# Allegro board IMX7D EVK BOARD REV D_160314.brd (continued)
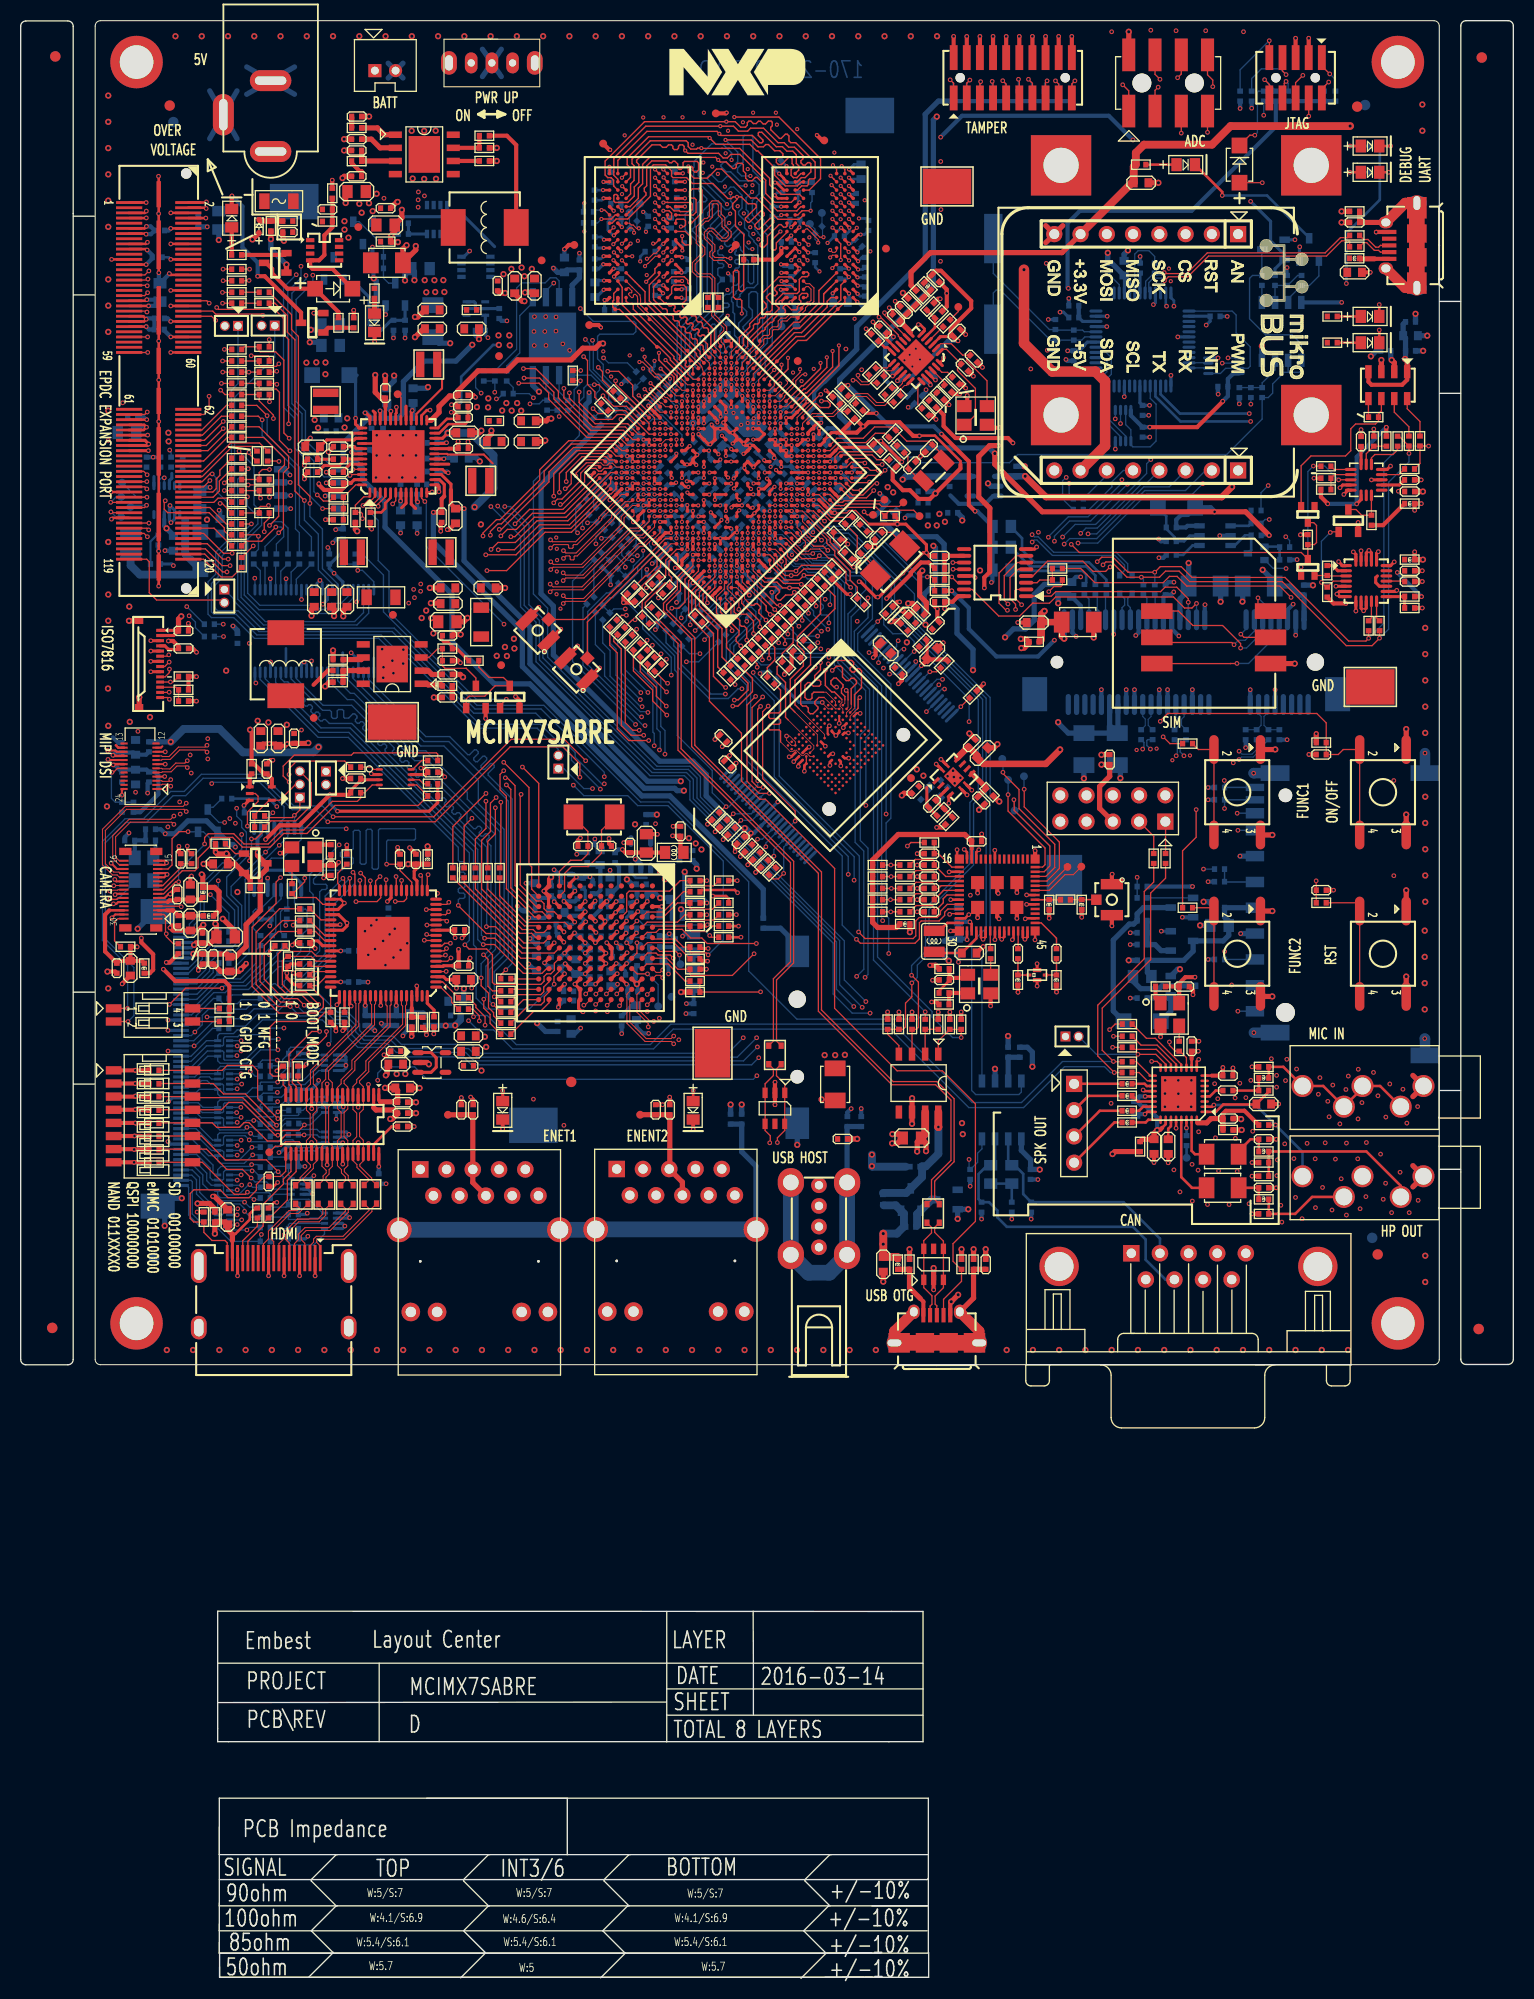
[diagram p0: board, top side]
## Routing (per net, layer and track width the routed paths; a pad name or vN(x,y) marks a point on that pad's centre or on a via; arc(x,y) is an arc through that point) (continued)
  BOTTOM w0.104: v3(77.14,167.89) 76.82,168.21 R90.2 76.82,169.2 TP21.1 ; TP22.1 58.89,169.32 R91.2 58.92,169.25 v3(59.33,168.84)
DRAM_SDQS0_N: length 12.7
  TOP w0.102: U7.AD21 69.79,156.26 70.25,156.72
  TOP w0.104: 70.25,156.72 70.25,156.84 71.49,158.08 TP41.1 71.49,158.54 71.87,158.91 72.32,158.91 72.43,159.02 72.43,159.48 72.7,159.75 73.16,159.75 73.27,159.86 73.27,160.31 73.54,160.59 74,160.59 74.38,160.97 74.7,160.97 75.11,160.97 75.53,161.39 TP42.1 75.53,161.6 76.07,162.14 76.28,162.14 76.44,162.31 76.44,163.39 76.19,163.64 75.98,163.64 U8.B7
DRAM_SDQS0_P: length 12.8
  TOP w0.102: U7.AE21 70.57,156.5 70.57,156.61
  TOP w0.104: 70.57,156.61 70.57,156.76 70.68,156.87 70.96,156.87 71.2,157.12 TP43.1 71.2,157.4 71.87,158.07 71.87,158.52 71.98,158.63 72.44,158.63 72.71,158.9 72.71,159.36 72.82,159.47 73.28,159.47 73.55,159.74 73.55,160.2 73.66,160.31 74.11,160.31 74.5,160.69 75.07,160.69 TP40.1 75.17,160.63 75.38,160.85 75.91,161.37 75.91,161.58 76.19,161.86 76.4,161.86 76.72,162.19 76.72,163.5 76.31,163.91 75.97,163.91 U8.C7
DRAM_SDQS1_N: length 18.5
  TOP w0.104: U7.AE15 74.69,154.26 74.69,154.63 75.38,155.33 v3(75.38,155.65) ; v3(78.3,167.17) 78.52,166.95 78.76,166.95 78.92,167.1 U8.G3
  L3_INT_1 w0.117: v3(75.38,155.65) 75.67,155.65 76.32,156.3 76.32,157.97 76.32,158.46 77.63,159.78 77.63,160.88 77.28,161.23 77.28,161.71 77.63,162.05 77.63,162.19 77.36,162.46 77.36,163.06 77.61,163.3 77.76,163.3 77.85,163.4 77.85,163.59 77.75,163.7 77.51,163.7 77.24,163.97 77.24,164.41 77.72,164.89 77.72,165.79 77.87,165.94 77.87,166.61 78.3,167.03 v3(78.3,167.17)
DRAM_SDQS1_P: length 18.6
  TOP w0.104: U8.F3 78.82,166.67 78.51,166.67 v3(78.3,166.45) ; v3(75.89,155.15) 75.6,155.15 74.97,154.51 74.97,154.14 73.89,153.07 73.89,152.93 73.51,152.54 U7.AD15
  L3_INT_1 w0.117: v3(78.3,166.45) 78.15,166.31 78.15,165.83 78,165.67 78,164.77 77.52,164.29 77.52,164.08 77.62,163.98 77.86,163.98 78.13,163.71 78.13,163.28 77.87,163.02 77.72,163.02 77.64,162.94 77.64,162.57 77.91,162.31 77.91,161.94 77.56,161.59 77.56,161.35 77.91,160.99 77.91,159.66 76.6,158.35 76.6,157.97 76.6,156.19 75.89,155.47 v3(75.89,155.15)
DRAM_SDQS2_N: length 12.2
  TOP w0.102: U7.Y25 65.55,155.85 65.33,156.07
  TOP w0.104: 65.33,156.07 64.92,156.48 TP44.1 64.77,156.63 60.94,160.47 TP46.1 60.81,160.59 59.68,161.72 59.68,161.99 59.68,162.39 59.67,162.49 59.64,162.7 59.46,162.88 59.35,162.88 59.26,162.8 59.26,162.65 59.19,162.57 59.09,162.57 58.8,162.86 58.8,162.94 58.89,163.03 59.07,163.03 59.12,163.08 59.12,163.22 58.8,163.54 58.73,163.54 U9.B7
DRAM_SDQS2_P: length 12.2
  TOP w0.102: U7.Y24 65.88,155.85 65.83,155.94 65.74,156.07 65.63,156.18
  TOP w0.104: 65.63,156.18 64.49,157.32 TP45.1 64.36,157.44 60.49,161.32 TP47.1 60.35,161.46 59.96,161.85 59.96,162.41 59.9,162.82 59.16,163.57 U9.C7
DRAM_SDQS3_N: length 18.8
  TOP w0.104: v3(60.57,166.33) 60.71,166.33 61.23,166.85 61.23,166.85 61.23,166.85 61.43,166.85 61.76,167.18 U9.G3 ; v3(60.35,156.84) 60.35,156.55 61.07,155.82 61.07,155.53 61.44,155.16 61.71,155.16 63.26,153.6 U7.T25
  L3_INT_1 w0.117: v3(60.57,166.33) 60.82,166.08 60.82,165.42 60.6,165.2 60.43,165.2 59.71,164.48 59.71,160.66 59.46,160.42 59.3,160.42 59.18,160.29 59.18,160.15 59.28,160.04 59.45,160.04 59.71,159.78 59.71,159.38 59.46,159.14 59.28,159.14 59.18,159.03 59.18,158.89 59.28,158.79 59.46,158.79 59.71,158.53 59.71,158.09 59.35,157.73 59.35,157.55 59.73,157.17 59.73,156.94 59.82,156.84 v3(60.35,156.84)
DRAM_SDQS3_P: length 18.8
  TOP w0.104: U7.T24 63.4,153.07 61.59,154.88 61.33,154.88 60.79,155.42 60.79,155.71 60.16,156.34 v3(59.84,156.34) ; v3(60.39,165.61) 60.66,165.88 60.7,165.88 61.38,166.57 U9.F3
  L3_INT_1 w0.117: v3(60.39,165.61) 60.39,165.55 59.43,164.59 59.43,160.78 59.35,160.7 59.19,160.7 58.9,160.41 58.9,160.03 59.17,159.76 59.33,159.76 59.43,159.66 59.43,159.5 59.34,159.42 59.16,159.42 58.9,159.15 58.9,158.89 58.9,158.77 59.16,158.51 59.34,158.51 59.43,158.42 59.43,158.21 59.07,157.84 59.07,157.43 59.45,157.05 59.45,156.73 v3(59.84,156.34)
DRAM_SDWE_B: length 54.9
  TOP w0.102: U7.AB14 v3(72.44,151.48)
  TOP w0.137: U8.L3 v3(78.52,170.97) ; U9.L3 61.72,170.57 v3(61.32,170.97)
  L3_INT_1 w0.102: v3(72.44,151.48) 71.88,151.48 69.33,154.03 69.33,154.2 69.65,154.52 69.65,154.83 69.4,155.08 69.4,155.33 69.64,155.57
  L3_INT_1 w0.137: v3(69.94,170.71) 69.78,170.54 69.78,170.27 69.91,170.13 70.13,170.13 70.72,170.72 70.72,170.94 70.61,171.05 70.61,171.21 70.79,171.39 70.79,172.02 69.49,173.32 69.3,173.32 69.15,173.18 69.15,173.04 69.75,172.44 69.75,172.17 69.93,171.98 70.21,171.98 70.36,171.83 70.36,171.63 70.22,171.49 69.98,171.49 69.78,171.29 69.78,171.19 69.57,170.98 69.32,170.98 69.08,170.75 69.08,170.5 68.88,170.3 68.88,170.05 69.14,169.8 69.14,169.58 69.39,169.33 69.39,169.16 69.25,169.02 69.12,169.02 68.81,169.33 68.66,169.33 68.48,169.15 68.48,168.94 69.55,167.87 69.55,164.91 70.07,164.39 70.07,162.11 69.19,161.23 69.19,160.45 69.77,159.87 69.77,156.18 69.64,156.06 69.64,155.57
  L6_INT_2 w0.137: v3(78.52,170.97) 77.53,170.97 76.02,172.48 73.51,172.48 73.09,172.06 72.41,172.06 71.4,171.05 70.29,171.05 v3(69.94,170.71) 69.89,170.66 69.75,170.66 69.66,170.57 69.18,170.57 68.83,170.22 68.42,170.22 67.91,170.73 67.01,170.73 66.89,170.6 66.89,170.3 66.53,169.94 65.27,169.94 64.98,170.24 62.66,170.24 62.33,170.57 61.72,170.57 v3(61.32,170.97)
DRAM_ZQ: length 2.8
  TOP w0.102: U7.AB13 v3(72.98,150.95)
  BOTTOM w0.104: v3(72.98,150.95) 72.98,151.5 73.4,151.92
  BOTTOM w0.137: R86.2 73.4,153 73.4,151.92
ENET_1V0: length 14.4
  TOP w0.305: U31.D5 58.11,101.76 v1(58.6,102.26) ; U31.K5 52.55,101.22 v1(52.55,101.21) ; 52.54,100.23 52.54,100.23 U31.K6 52.1,100.66 52.54,100.23 ; 52.54,100.23 v1(52.54,100.22) ; U31.L7 v1(51.61,100.16)
  TOP w0.406: L54.2 63.82,109.2 C415.1 63.78,110.51 v1(63.05,110.51)
  BOTTOM w0.305: C334.1 51.78,101.11 R642.1 ; v1(58.6,102.26) 58.6,102.61 C327.1
  BOTTOM w0.381: L44.2 65.09,94.28 C320.1 v1(64.39,94.28)
  BOTTOM w0.406: L47.1 53.94,108.88 v1(53.78,108.73)
  BOTTOM w0.508: v2(49.95,92.4) 50.76,91.59 L49.1 ; L42.1 64.01,103.32 63.92,103.4 v2(63.86,103.4)
  vias: v1(61.4,111.68) v2(59.42,111.63)
ENET_3V3: length 25.3
  TOP w0.254: U31.F8 v1(56.61,99.16) ; U31.F9 v1(56.61,98.16)
  TOP w0.305: v1(53.57,101.13) U31.J6 ; U31.J7 v1(52.6,99.16) ; v1(54.65,102.2) 54.64,102.2 U31.H5 ; R271.1 65.84,99.61 v1(66.5,99.61) ; U31.E6 57.12,100.66 v1(57.66,101.21) ; v1(59.69,103.18) 59.17,102.66 U31.C4 ; v1(57.63,102.19) 57.63,102.19 U31.E5 ; U31.F7 v1(56.61,99.16) ; v1(58.55,101.1) 58.55,101.1 U31.D6 ; U31.F8 v1(56.61,98.16) ; 57.11,96.66 57.61,97.17 v1(57.69,97.17)
  TOP w0.508: R263.1 v2(63.87,95.4)
  BOTTOM w0.254: U44.3 59.03,106.91 59.5,106.44 60.54,106.44
  BOTTOM w0.305: v1(57.63,102.19) 57.11,101.67 C340.1
  BOTTOM w0.406: L48.2 v1(58.13,91.38) ; C341.1 58.61,101.17 v1(58.55,101.1) ; v1(52.6,99.16) 53.14,99.7 C345.1 ; v1(52.6,99.16) 53.2,98.57 C346.1 ; v1(52.6,99.16) 52.21,98.77 C393.1 ; C342.1 53.92,100.78 v1(53.57,101.13) ; R643.1 52.22,106.61 v1(51.59,107.23) ; L46.2 48.47,103.28 v1(48.04,103.71) ; C337.1 60.12,103.18 v1(59.69,103.18) ; v1(57.66,101.21) 57.23,100.78 C338.1 ; C344.1 52.93,102.78 54.07,102.78 v1(54.65,102.2) 54.5,102.2 54.19,101.89 C343.1
  vias: v2(61.86,107.03) v2(62.32,106.32) v2(62.77,107.03)
ENET_EN_B: length 16.6
  L3_INT_1 w0.127: v1(22.64,135.43) 24.09,136.87 31.91,136.87 v1(32.6,136.19)
  BOTTOM w0.127: R332.2 R619.2 32.6,136.57 v1(32.6,136.19) 33.06,136.19 34.16,135.09 U36.48 ; v1(22.64,135.43) 22.66,135.41 U36.25
ENET_INT_B: length 65.7
  TOP w0.102: U7.M1 74.12,138.76 75.32,137.56
  TOP w0.127: R265.1 R263.2 71.54,95.4 v1(71.56,95.42) ; v1(77.25,137.61) 76.97,137.32 75.55,137.32 75.32,137.56
  L6_INT_2 w0.127: v1(83.37,102.3) 78.45,102.3 v1(71.56,95.42)
  BOTTOM w0.102: 77.34,137.53 v1(77.25,137.61)
  BOTTOM w0.127: 77.34,137.53 77.46,137.41 78.3,137.41 80.05,135.65 81.24,135.65 81.72,135.17 81.72,134.28 81.24,133.8 81.24,132.61 80.33,131.69 80.33,127.96 83.27,125.01 83.27,102.41 v1(83.37,102.3)
ENET_MDC: length 9.4
  TOP w0.102: U7.T1 76.3,140.88 77.96,139.21
  TOP w0.127: 77.96,139.21 77.96,138.83 78.75,138.05 78.75,137.61 80.22,136.13 80.22,135.25 80.92,134.56 R495.1
ENET_MDIO: length 77.7
  TOP w0.102: v3(74.04,142.47) 74.04,142.47 U7.R5
  TOP w0.127: v1(66.5,98.99) 66.31,99.18 64.87,99.18 64.73,99.31 R271.2 64.09,99.75 63.32,100.53 61.24,100.53 U31.A6
  L3_INT_1 w0.102: 59.7,140.46 62.07,140.46 63.13,141.52 65.16,141.52 65.95,142.31 66.98,142.31 67.56,142.89 68.8,142.89 69.29,143.37 70.06,143.37 70.56,142.87 73.09,142.87 73.5,142.47 v3(74.04,142.47)
  L3_INT_1 w0.127: v1(53.45,115.41) 53.45,120.62 54.91,122.08 54.91,127.08 56.37,128.54 56.37,137.13 59.7,140.46
  BOTTOM w0.127: v1(53.45,115.41) 54.47,114.39 58.71,114.39 59.68,113.43 62.6,113.43 67.96,108.07 67.96,100.46 v1(66.5,98.99)
ENET_RST_B: length 61.1
  TOP w0.127: U38.5 96.48,136.29 95.69,135.5 95.69,133.44 96.23,132.91 v1(96.23,132.4) ; U31.A8 62.51,98.66 63.57,97.6 R275.1 64.74,97.1 64.83,97.01 68.84,97.01 v1(70.93,99.1)
  L6_INT_2 w0.127: v1(96.23,132.4) 95.95,132.12 95.95,123.36 90.97,118.38 90.21,118.38 v1(70.93,99.1)
EPD_I2C_SCL: length 10
  TOP w0.127: R512.2 19.59,164.2 v1(19.58,164.21) ; J13.31 12.21,164.26 v1(12.31,164.36)
  L6_INT_2 w0.127: v1(12.31,164.36) 19.43,164.36 v1(19.58,164.21)
EPD_I2C_SDA: length 10.3
  TOP w0.127: R510.2 v1(19.57,165.32) ; v1(12.4,165.15) 12.02,164.76 J13.29
  L6_INT_2 w0.127: v1(12.4,165.15) 12.8,165.55 19.35,165.55 v1(19.57,165.32)
EPDC_BDR0: length 50.2
  TOP w0.127: J13.76 17.96,148.26 v1(19.59,149.9) ; R118.2 56.27,154.59 56.27,155.42 v1(55.87,155.82)
  L6_INT_2 w0.127: v1(55.87,155.82) 55.43,155.82 54.93,156.33 53.44,156.33 51.29,158.48 48.81,158.48 47.81,159.48 43.23,159.48 42.8,159.05 40.07,159.05 39.38,159.73 32.38,159.73 31.48,158.84 26.96,158.84 20.13,152.01 20.13,150.44 v1(19.59,149.9)
EPDC_BDR1: length 50.4
  TOP w0.127: v1(54.44,156.86) 54.82,156.48 54.82,154.17 55.54,153.46 55.54,152.93 R117.2 ; J13.74 17.77,148.76 v1(19.59,150.59)
  L6_INT_2 w0.127: v1(54.44,156.86) 52.44,158.87 48.98,158.87 48.02,159.84 42,159.84 41.72,160.11 27.67,160.11 19.59,152.04 v1(19.59,150.59)
EPDC_GDCLK: length 6.4
  TOP w0.127: J13.94 18.59,143.76 18.91,144.09 18.91,145.03 19.26,145.38 19.26,145.89 R408.2
EPDC_GDOE: length 4.5
  TOP w0.127: J13.98 18.68,142.76 19.09,143.17 20.03,143.17 R409.2
EPDC_GDRL: length 4.9
  TOP w0.127: R411.2 19.88,140.67 18.29,142.26 J13.100
EPDC_GDSP: length 5.9
  TOP w0.127: J13.96 18.62,143.26 19.21,143.86 19.21,144.81 R410.2
EPDC_PMIC_CTL: length 86.2
  TOP w0.127: v1(74.04,136.61) 74.04,137.25 73.85,137.44 73.85,137.88 U7.L1 ; J13.85 11.9,145.76 v1(12.23,145.43)
  L6_INT_2 w0.102: 57.7,144.65 58.03,144.98 58.26,144.98 58.54,144.7 58.79,144.7 59.07,144.98 60.39,144.98 61.17,144.2 61.45,144.2 61.8,144.55 62.12,144.55 63.36,143.31 63.36,143.07 63.92,142.51 63.92,141.91 65.63,140.2 66.22,140.2 67.8,138.62 68.86,138.62 70.87,136.61 v1(74.04,136.61)
  L6_INT_2 w0.127: 57.7,144.65 57.09,144.65 53.3,140.86 48.82,140.86 48.34,141.34 41.31,141.34 40.65,140.68 32.24,140.68 31.08,139.52 31.08,139.06 29.73,137.71 23.4,137.71 21.22,135.53 19.75,135.53 18.6,136.67 18.6,140.66 20.2,142.26 20.2,144.87 19.11,145.97 15.3,145.97 15.12,145.79 12.58,145.79 v1(12.23,145.43)
EPDC_PMIC_INT_B: length 1.7
  TOP w0.127: R181.1 R407.2
EPDC_PMIC_PG: length 9.1
  TOP w0.127: R583.2 23.11,148.51 20.31,148.51 17.56,145.76 J13.86
EPDC_PMIC_WAKEUP_B: length 1.7
  TOP w0.127: R180.1 R406.2
EPDC_PWRCTRL0: length 8
  TOP w0.127: R582.2 22.4,148.18 20.48,148.18 17.57,145.26 J13.88
EPDC_SDCE0: length 5
  TOP w0.127: J13.72 17.58,149.26 19.42,151.1 R404.2
EPDC_SDCE1: length 5.2
  TOP w0.127: J13.70 17.53,149.76 19.91,152.15 R405.2
EPDC_SDCLK: length 31.6
  TOP w0.127: R400.2 20.07,139.63 19.7,140 19.7,140.3 18.23,141.76 J13.102 14.22,141.76 13.88,142.11 13.88,142.82 v1(13.98,142.92) ; J13.40 18,162.26 v1(18.23,162.04)
  L3_INT_1 w0.127: v1(18.23,162.04) 18.23,153.75 16.93,152.44 16.93,145.87 v1(13.98,142.92)
EPDC_SDDO0: length 49.7
  TOP w0.127: v1(25.92,150.36) 25.92,158.51 25.41,159.02 25.41,160.57 24.55,161.44 19.14,161.44 v1(18.96,161.61) ; v1(12.21,161.17) 12.12,161.26 J13.43
  L6_INT_2 w0.127: v1(46.01,152.77) 46.01,152.01 45.41,151.41 43.98,151.41 42.41,152.97 33.36,152.97 32.23,151.85 27.41,151.85 v1(25.92,150.36) ; v1(12.21,161.17) 18.52,161.17 v1(18.96,161.61)
  BOTTOM w0.127: v1(46.01,152.77) 46.16,152.77 R388.2
EPDC_SDDO1: length 59.7
  TOP w0.127: J13.116 17.86,138.26 19.48,136.65 v1(20.26,136.65) ; v1(54.16,155.52) R389.2
  L6_INT_2 w0.127: v1(54.16,155.52) 53.03,155.52 51.52,157.02 41.23,157.02 40.06,158.18 35.65,158.18 35.07,158.76 32.85,158.76 31.44,157.35 27.35,157.35 24.99,154.99 23.94,154.99 20.56,151.61 20.56,147.03 21.07,146.53 21.07,142.03 19.49,140.46 19.49,137.13 19.98,136.65 v1(20.26,136.65)
EPDC_SDDO2: length 47.5
  TOP w0.127: J13.110 17.69,139.76 19.62,137.84 v1(20.46,137.84)
  L6_INT_2 w0.127: v1(49.26,152.29) 49.26,151.53 48.78,151.04 41.26,151.04 39.77,152.53 33.55,152.53 32.44,151.43 27.98,151.43 26.37,149.82 25.31,149.82 23.94,148.46 23.94,147.8 22.77,146.63 22.77,142.64 20.46,140.33 v1(20.46,137.84)
  BOTTOM w0.127: v1(49.26,152.29) 50.15,152.29 50.51,152.65 R390.2
EPDC_SDDO3: length 43.5
  TOP w0.127: v1(20.08,137.28) 19.53,137.28 18.05,138.76 J13.114
  L6_INT_2 w0.127: v1(44.54,153.33) 44.45,153.42 33.1,153.42 32.02,152.34 27.17,152.34 23.52,148.69 23.52,147.86 22.44,146.78 22.44,142.84 19.95,140.35 19.95,137.41 v1(20.08,137.28)
  BOTTOM w0.127: R391.2 44.18,155.47 44,155.29 44,153.87 v1(44.54,153.33)
EPDC_SDDO4: length 46.6
  TOP w0.127: v1(23.43,160.85) 23.3,160.98 18.86,160.98 18.57,161.26 J13.44
  L6_INT_2 w0.127: v1(23.43,160.85) 24.5,161.92 38.31,161.92 39,161.23 47.73,161.23 48.81,160.15 52.3,160.15 55.71,156.74 v1(56.37,156.74)
  BOTTOM w0.127: v1(56.37,156.74) 56.85,156.26 58.68,156.26 R396.2
EPDC_SDDO5: length 51.8
  TOP w0.127: J13.46 18.46,160.76 v1(18.86,160.37)
  L6_INT_2 w0.127: v1(18.86,160.37) 19.93,161.44 22.03,161.44 23.37,162.77 38.58,162.77 39.2,162.15 41.49,162.15 42.96,163.62 50.15,163.62 55.3,158.47 55.3,158.44 v1(55.31,158.44)
  BOTTOM w0.127: R397.2 58.59,151.79 57.24,153.14 57.24,153.76 55.38,155.62 55.38,158.36 v1(55.31,158.44)
EPDC_SDDO6: length 74.1
  TOP w0.127: J13.118 17.8,137.76 19.53,136.04 v1(19.95,136.04)
  L6_INT_2 w0.127: v1(54.62,158.52) 54.62,158.61 51.57,161.66 39.13,161.66 38.42,162.38 23.94,162.38 22.29,160.72 22.29,159.05 20.56,157.32 20.56,153.51 18.78,151.73 18.78,148.13 20.66,146.25 20.66,142.18 19.04,140.56 19.04,136.95 v1(19.95,136.04)
  BOTTOM w0.127: v1(54.62,158.52) 55.02,158.12 55.02,155.6 56.87,153.75 R399.2
EPDC_SDDO7: length 6.2
  TOP w0.127: J13.120 17.67,137.26 19.38,135.55 20.46,135.55 R398.2
EPDC_SDDO8: length 10.4
  TOP w0.127: R424.2 v1(19.7,157.56) ; J13.53 v1(12.27,158.76)
  L6_INT_2 w0.127: v1(19.7,157.56) 19.47,157.8 13.24,157.8 v1(12.27,158.76)
EPDC_SDDO9: length 10.3
  TOP w0.127: R425.2 v1(19.53,156.44) ; J13.59 v1(12.29,157.26)
  L6_INT_2 w0.127: v1(19.53,156.44) 13.11,156.44 v1(12.29,157.27)
EPDC_SDDO10: length 18.2
  TOP w0.127: J13.89 12.2,144.76 v1(12.2,144.77) ; R427.2 v1(19.54,155.36)
  L6_INT_2 w0.127: v1(19.54,155.36) 20,154.9 20,153.46 18.17,151.63 18.17,150.29 14.16,146.27 12.2,146.27 11.7,145.76 11.7,145.28 v1(12.2,144.77)
EPDC_SDDO11: length 11.2
  TOP w0.127: J13.63 12,151.26 v1(12.24,151.5) ; R426.2 v1(19.42,154.27)
  L6_INT_2 w0.127: v1(12.24,151.5) 15.01,154.27 18.91,154.27 v1(19.42,154.27)
EPDC_SDDO12: length 10.6
  TOP w0.127: J13.91 12,144.26 v1(12.2,144.06) ; v1(19.7,144.65) 20.02,144.97 R432.2
  L6_INT_2 w0.127: v1(19.7,144.65) 18.81,143.76 12.51,143.76 v1(12.2,144.06)
EPDC_SDDO13: length 11.1
  TOP w0.127: v1(19.29,142.67) 19.49,142.67 R433.2 ; v1(12.41,140.76) 12.4,140.76 J13.105
  L6_INT_2 w0.127: v1(19.29,142.67) 17.28,142.67 16.22,141.6 13.24,141.6 v1(12.41,140.76)
EPDC_SDDO14: length 13.2
  TOP w0.127: v1(19.7,143.91) 19.71,143.9 R435.2 ; v1(12.38,140.1) 12.22,140.26 J13.107
  L6_INT_2 w0.127: v1(12.38,140.1) 11.8,140.68 11.8,141.4 13.78,143.38 19.16,143.38 v1(19.7,143.91)
EPDC_SDDO15: length 22.2
  TOP w0.127: J13.109 11.93,139.76 v1(12.25,139.44) ; R434.2 19.76,153.19 v1(19.34,153.61)
  L6_INT_2 w0.127: v1(19.34,153.61) 19.34,153.41 17.61,151.68 17.61,150.31 13.97,146.67 12.01,146.67 11.29,145.94 11.29,140.4 v1(12.25,139.44)
EPDC_SDLE: length 5.2
  TOP w0.127: R401.2 18.1,147.76 J13.78
EPDC_SDOE: length 4.9
  TOP w0.127: J13.108 18.71,140.26 R403.2
EPDC_SDSHR: length 5.1
  TOP w0.127: R402.2 19.99,149.05 17.7,146.76 J13.82
ESPI3_MISO: length 67.5
  L6_INT_2 w0.127: v1(23.68,108.94) 25.33,110.58 31.99,110.58 32.57,111.17 41.59,111.17 42.2,110.56 49.87,110.56 57.24,117.93 60.9,117.93 v1(61.78,118.81)
  BOTTOM w0.127: U23.12 24.53,109.79 v1(23.68,108.94) 20.36,105.61 20.36,104.79 21.37,103.78 21.37,99.99 20.53,99.15 R358.1 ; v1(61.78,118.81) 61.86,118.89 61.86,120.54 61.53,120.87 61.53,125.17 59.92,126.78 R416.2
ESPI3_MOSI: length 66.2
  L6_INT_2 w0.127: v1(62.32,118.41) 61.43,117.52 59.3,117.52 51.95,110.18 41.44,110.18 40.88,110.74 32.92,110.74 32.34,110.15 25.57,110.15 v1(25.01,109.6)
  BOTTOM w0.127: U23.14 25.83,110.42 v1(25.01,109.6) 21.7,106.29 21.7,99.77 R357.1 ; R417.2 61.91,125.83 61.91,121.1 62.32,120.69 v1(62.32,118.41)
ESPI3_SCLK: length 65.6
  L6_INT_2 w0.127: v1(31.49,111.19) 31.85,111.55 42.02,111.55 42.63,110.94 49.74,110.94 57.14,118.33 60.39,118.33 v1(61.28,119.22)
  BOTTOM w0.127: R419.2 59.26,126.78 61.15,124.9 61.15,120.54 61.28,120.41 v1(61.28,119.22) ; v1(31.49,111.19) 31.4,111.28 U23.16 27.13,110.15 25.34,108.35 24.26,108.35 22.08,106.18 22.08,99.19 R356.1
EXT_FILTER_2G_FEM: length 1.7
  TOP w0.145: U16.42 96.48,99.62 C403.2
EXT_FILTER_DIP: length 3.7
  TOP w0.145: C402.1 100.18,100.61 98.71,102.08 U16.46
FT_RX1: length 1.9
  BOTTOM w0.127: U17.3 114.84,156.27 U18.23
FT_RX2: length 9.9
  BOTTOM w0.127: U19.3 106.38,149.11 104.63,150.86 104.63,154.97 105.07,155.41 105.07,156.5 104.8,156.77 U18.39
FT_TX1: length 1.9
  BOTTOM w0.127: U17.2 114.84,155.77 U18.24
FT_TX2: length 10.7
  BOTTOM w0.127: U19.2 106.88,149.18 105.1,150.96 105.1,154.76 105.49,155.15 105.49,156.77 104.99,157.27 U18.40
FUSE_FSOURCE: length 2.8
  TOP w0.254: v3(73.06,145.89) 73.06,145.89 73.31,145.65 U7.V8
  BOTTOM w0.254: C93.1 73.42,145.53 v3(73.06,145.89)
  BOTTOM w0.406: v1(85.53,141.25) 85.78,141.5 R30.2
GPIO1_IO04: length 137.9
  TOP w0.102: U7.N6 v3(71.91,141.41)
  TOP w0.127: R620.1 v1(87.49,93.49)
  BOTTOM w0.102: v3(71.91,141.4) 71.91,140.88 73.15,139.64 73.67,139.64 75.6,137.71 75.68,137.71 76.52,136.87 76.68,136.87
  BOTTOM w0.127: 76.68,136.87 77.79,136.87 79.69,134.97 79.69,127.58 82.49,124.78 82.49,98.49 v1(87.49,93.49) 86.78,92.78 75.07,92.78 70.41,97.44 70.41,106.07 62.7,113.79 59.96,113.79 50.61,123.13 44.13,123.13 35.09,132.17 35.09,135.73 33.06,137.76 R619.1
GPIO_EPDC_BDR0: length 106
  TOP w0.127: v1(55.49,154.15) 55.92,154.15 57.52,152.55 57.71,152.55 R118.1 58.34,152.52 58.68,152.52 60.78,150.42 U7.K24
  L3_INT_1 w0.127: v1(81.75,94.48) 84.39,91.84 100.32,91.84 J40.1
  BOTTOM w0.127: v1(81.75,94.48) 79.67,96.56 79.67,100.35 65.75,114.27 65.75,116.22 64.73,117.24 61.53,117.24 50.96,127.81 50.96,132.53 49.59,133.9 49.59,144.8 54.04,149.24 54.04,152.52 54.47,152.95 54.47,153.82 54.8,154.15 v1(55.49,154.15)
GPIO_EPDC_BDR1: length 56.7
  TOP w0.127: v1(55.36,151.83) 55.84,151.35 56.53,151.35 R117.1 58.5,151.65 60.78,149.36 U7.K23
  L3_INT_1 w0.127: J41.1 29.96,117.16 29.96,122.01 32.78,124.83 32.78,130.98 40.19,138.4 41.92,138.4 43.65,140.13 43.65,140.63 44.77,141.75 44.77,142.97 45.68,143.88 45.68,146.55 51.04,151.91 55.28,151.91 v1(55.36,151.83)
GPIO_EPDC_D0: length 21.3
  TOP w0.127: U7.P20 v3(65.02,150.42)
  L6_INT_2 w0.102: 60.33,151.39 62.12,151.39 63.5,150.01 64.07,150.01 64.48,150.42 v3(65.02,150.42)
  L6_INT_2 w0.127: 60.33,151.39 59.84,151.39 58.96,152.27 52.23,152.27 51.14,153.36 50.84,153.36 50.35,152.88 v1(49.59,152.88)
  BOTTOM w0.127: R392.1 47.64,153.87 R388.1 49.19,153.28 v1(49.59,152.88)
GPIO_EPDC_D1: length 23.8
  TOP w0.102: v3(64.49,150.95) U7.P21
  TOP w0.127: v1(54.14,154.53) 54.11,154.55 R389.1
  L6_INT_2 w0.102: v3(64.49,150.95) 63.94,150.95 62.9,151.99
  L6_INT_2 w0.127: 62.9,151.99 62.7,152.2 62.7,152.49 62.88,152.67 62.88,152.88 62.6,153.16 62.27,153.16 62.11,153 62.11,152.29 61.96,152.14 61.71,152.14 61.56,152.29 61.56,153.18 61.43,153.31 61.12,153.31 61,153.18 61,152.71 60.87,152.58 59.66,152.58 59.08,153.16 59.08,153.34 59.67,153.92 59.67,154.13 59.03,154.77 58.77,154.77 58.61,154.6 58.61,153.92 58.38,153.69 57.95,153.69 57.82,153.56 57.82,153.26 57.69,153.13 57.31,153.13 57.19,153.26 57.19,153.93 57.06,154.05 56.54,154.05 55.87,154.73 54.32,154.73 54.14,154.55 v1(54.14,154.53)
  BOTTOM w0.127: R393.1 53,151.66 53.53,152.19 53.53,153.66 54.14,154.27 v1(54.14,154.53)
GPIO_EPDC_D2: length 25.4
  TOP w0.102: U7.N20 v3(64.49,149.89)
  L6_INT_2 w0.102: 59.65,151.13 62.02,151.13 63.85,149.3 63.85,149.11 64.29,148.67 64.64,148.67 64.76,148.79 64.76,149.03 64.49,149.3 v3(64.49,149.89)
  L6_INT_2 w0.127: 59.65,151.13 58.85,151.92 56.56,151.92 56.04,151.4 52.84,151.4 52.39,151.86 52.08,151.86 51.24,152.7 50.84,152.7 50.56,152.42 50.07,152.42 49.87,152.22 49.87,151.61 49.47,151.2 49.47,150.92 49.64,150.74 50,150.74 50.76,151.5 51.65,151.5 v1(52.08,151.07)
  BOTTOM w0.127: R390.1 R395.1 51.95,151.68 52.08,151.56 v1(52.08,151.07)
GPIO_EPDC_D3: length 22.7
  TOP w0.102: v3(63.96,150.42) U7.N21
  L6_INT_2 w0.102: v3(63.96,150.42) 63.45,150.42 62.27,151.6
  L6_INT_2 w0.127: v1(45.85,153.42) 49.03,153.42 49.78,154.17 50.87,154.17 52.44,152.6 59.2,152.6 60.09,151.71 62.16,151.71 62.27,151.6
  BOTTOM w0.127: v1(45.85,153.42) 45.86,153.43 R394.1 R391.1
GPIO_EPDC_D4: length 8
  TOP w0.102: v3(63.43,150.95) U7.N22
  BOTTOM w0.127: R396.1 C366.1 59.24,153.74 59.24,152.98 60.59,151.63 61.35,151.63 TP10.1 61.79,151.94 62.77,150.95 v3(63.43,150.95)
GPIO_EPDC_D5: length 9.1
  TOP w0.102: v3(63.96,148.34) U7.M20
  BOTTOM w0.127: v3(63.96,148.34) 63.96,149.3 62.03,151.22 60.77,151.22 60.66,151.11 R397.1 60.13,151.46 60.13,151.58 59.02,152.7 R299.1
GPIO_EPDC_D6: length 8.5
  TOP w0.102: U7.M21 v3(62.9,149.36)
  BOTTOM w0.127: R300.1 56.84,151.01 R399.1 58.16,151.72 59.45,150.44 60.72,150.44 61.1,150.82 62,150.82 62.9,149.92 v3(62.9,149.36)
GPIO_EPDC_D7: length 52.9
  TOP w0.102: U7.M22 62.37,149.89 v3(62.37,149.89)
  TOP w0.127: R398.1 v1(22.49,138.55)
  L6_INT_2 w0.102: 57.84,150.31 61.43,150.31 61.85,149.89 v3(62.37,149.89)
  L6_INT_2 w0.127: 57.84,150.31 57.65,150.51 54.18,150.51 53.3,149.62 49.42,149.62 48.76,148.96 44.24,148.96 43.17,150.03 33.91,150.03 32.45,148.57 29.21,148.57 28.68,148.04 26.41,148.04 26.25,148.2 25.34,148.2 23.63,146.5 23.63,142.92 21.63,140.91 21.63,139.41 v1(22.49,138.55)
GPIO_EPDC_D8: length 51.1
  TOP w0.102: U7.M23 v3(61.84,150.42)
  TOP w0.127: R424.1 21.63,157.82 R420.1 23.07,157.42 23.16,157.32 24.66,157.32 25.46,156.53 25.46,149.48 v1(25.97,148.96)
  L6_INT_2 w0.102: v3(61.84,150.42) 61.69,150.57 59.11,150.57 58.45,151.22
  L6_INT_2 w0.127: v1(25.97,148.96) 26.48,148.46 28.49,148.46 28.95,148.92 32.31,148.92 33.76,150.36 46.49,150.36 46.87,149.98 52.95,149.98 53.78,150.82 56.7,150.82 57.11,151.22 58.45,151.22
GPIO_EPDC_D9: length 44.9
  TOP w0.127: v1(57.54,154.53) 57.54,154.19 U7.L25 ; v1(24.97,156.16) 24.73,155.92 23.2,155.92 23.07,156.06 R421.1 R425.1
  L6_INT_2 w0.127: v1(24.97,156.16) 26.53,157.72 31.2,157.72 32.78,159.3 39.05,159.3 39.71,158.64 40.17,158.64 41.39,157.42 51.79,157.42 53.23,155.97 54.4,155.97 55.06,155.31 55.99,155.31 56.78,154.53 v1(57.54,154.53)
GPIO_EPDC_D10: length 49.1
  TOP w0.127: v1(56.78,155.44) 57.85,155.44 59.2,154.09 59.2,153.04 61.31,150.93 U7.L24 ; R423.1 22.07,155.36 v1(22.07,155.36) 22.06,155.36 R427.1
  L6_INT_2 w0.127: v1(56.78,155.44) 56.78,155.64 56.09,156.33 55.61,156.33 52.19,159.75 48.68,159.75 47.6,160.83 38.87,160.83 38.24,161.46 33.4,161.46 32.45,160.51 27.22,160.51 v1(22.07,155.36)
GPIO_EPDC_D11: length 47.7
  TOP w0.102: U7.L23 61.31,149.89 v3(61.31,149.89)
  TOP w0.127: R426.1 R422.1 23.07,153.87 23.22,153.72 24.72,153.72 25.03,153.41 25.03,148.76 v1(26.05,147.75)
  L6_INT_2 w0.102: v3(61.31,149.89) 61.19,150.01 57.47,150.01
  L6_INT_2 w0.127: 57.47,150.01 57.33,150.15 54.48,150.15 53.63,149.29 49.77,149.29 49.09,148.62 44.01,148.62 43.54,149.09 41.92,149.09 41.79,148.96 40.39,148.96 40.02,148.59 33.13,148.59 32.69,148.15 29.44,148.15 28.88,147.6 26.19,147.6 v1(26.05,147.75)
GPIO_EPDC_D12: length 43.8
  TOP w0.102: U7.L22 v3(61.84,149.36)
  TOP w0.127: R432.1 R428.1 23.07,145.64 23.37,145.94 v1(24.07,145.94)
  L6_INT_2 w0.102: 57.3,149.77 60.87,149.77 61.14,149.5 61.7,149.5 v3(61.84,149.36)
  L6_INT_2 w0.127: v1(24.07,145.94) 24.07,146.42 24.83,147.18 32.29,147.18 33.21,148.1 50.89,148.1 51.7,148.91 53.86,148.91 54.71,149.77 57.3,149.77
